# Altium PCB Velvet ADC v2.0.PcbDoc (continued)
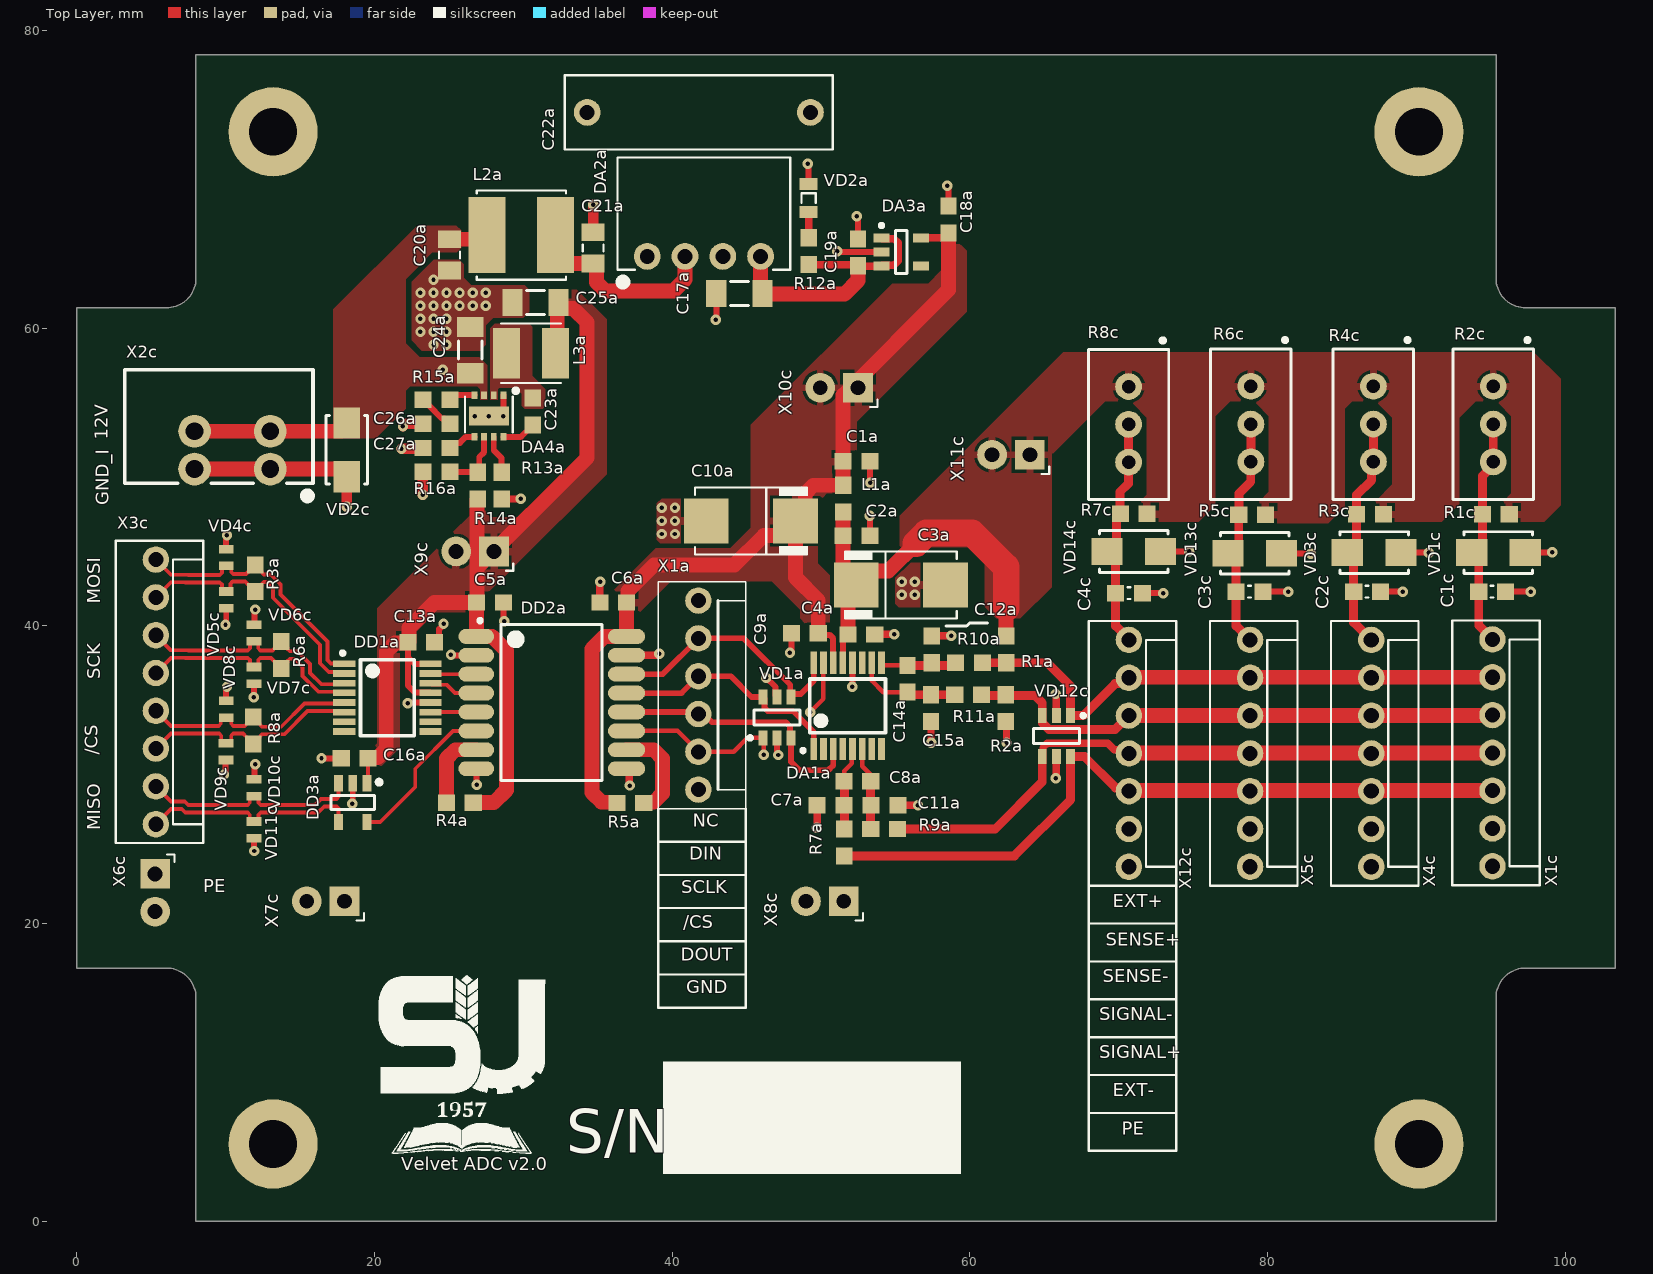
[diagram p0: Top Layer view]
## Footprints (in the part's own frame and the unit in brackets; to place one, negate y for a bottom-side part, rotate by r counter-clockwise, add the part's x,y. Pads: shape width x height; smd on the part's side, far side on the other; paste and mask are expansions set on the pad)
"2-DFN 1.6x1.0" [mm]
  rect 0.58x1 smd: 1(-0.56,0) 2(0.56,0)
  body extent -0.8,-0.5 0.8,0.5, height 0.6
"2P TH 2.54mm" [mm]
  rect 2x2 hole 1: 1(0,0)
  round 2 hole 1: 2(2.54,0)
  silkscreen extent -1.3,0.8 -0.8,1.3
"0805 DIODE" [mm]
  rect 0.8x1.2 smd: 1(-0.95,0) 2(0.95,0)
  silkscreen extent -0.33,-0.48 0.33,0.48, body extent -1.03,-0.45 1.03,0.46, height 0.85
640456-6 [mil] "CONN HEADER VERT 6POS 2.54MM"
  round 70 hole 40: 1(-250,0) 2(-150,0) 3(-50,0) 4(50,0) 5(150,0) 6(250,0)
  silkscreen extent -300,-106 300,125, body extent -300,-105 300,125, height 395
640456-7 [mil] "CONN HEADER VERT 7POS 2.54MM"
  round 70 hole 40: 1(-300,0) 2(-200,0) 3(-100,0) 4(0,0) 5(100,0) 6(200,0) 7(300,0)
  silkscreen extent -350,-106 350,125, body extent -351,-105 349,125, height 395
640456-8 [mil] "CONN HEADER VERT 8POS 2.54MM"
  round 70 hole 40: 1(-350,0) 2(-250,0) 3(-150,0) 4(-50,0) 5(50,0) 6(150,0) 7(250,0) 8(350,0)
  silkscreen extent -400,-106 400,125, body extent -400,-106 400,124, height 395
ASPI-4030S [mm] "4x4x3 Wire Wound Magnetically Shielded SMD Power Inductor"
  rect 1.8x3.4 smd: 1(-1.65,0) 2(1.65,0)
  silkscreen extent -2,-2 2,2, body extent -2,-2 2,2, height 3
B1212M-2WR3 [mm] "DC DC CONVERTER 12V 2W"
  round 1.8 hole 1: 1(-3.81,0) 2(-1.27,0) 3(1.27,0) 4(3.81,0)
  silkscreen extent -5.8,-1.97 5.8,6.65, body extent -5.8,-0.9 5.8,6.65, height 10.1
"CAP 0603 IPC MAX" [mm]
  rect 1.15x1.1 smd: 1(-0.9,0) 2(0.9,0)
  body extent -0.8,-0.4 0.8,0.4, height 0.5
"CAP 0805 IPC MAX" [mm]
  rect 1.2x1.55 smd: 1(-1.05,0) 2(1.05,0)
  silkscreen extent -0.23,-0.7 0.23,0.7, body extent -1,-0.63 1,0.63, height 0.78
"CAP 1206 IPC MAX" [mm]
  rect 1.35x1.8 smd: 1(-1.55,0) 2(1.55,0)
  silkscreen extent -0.6,-0.8 0.6,0.8, body extent -2.27,-0.8 2.27,0.8, height 1.25
"CAP 2917 (D)" [mm]
  rect 3x3 smd: 1(-3,0) 2(3,0)
  silkscreen extent -3.83,-2.25 3.75,2.25, body extent -3.7,-2.22 3.7,2.22, height 3.01
"CAP RADIAL L18.0 W5.0 H10.5 P15.0" [mm] "Film Capacitor"
  round 1.8 hole 1: 1(-7.5,0) 2(7.5,0)
  silkscreen extent -9,-2.5 9,2.5, body extent -9,-2.5 9,2.5, height 10.5
"DFN 3x3-8L" [mm] "Based on AOZ6663DI/DI-01 Documentation"
  rect 0.4x0.5 smd: 1(-0.975,-1.4) 2(-0.325,-1.4) 3(0.325,-1.4) 4(0.975,-1.4) 5(0.975,1.4) 6(0.325,1.4) 7(-0.325,1.4) 8(-0.975,1.4)
  rect 2.7x1.25 smd: 9(0,0)
  silkscreen extent -1.94,-1.84 1.6,1.1, body extent -1.55,-1.6 1.55,1.6, height 0.81
"DO-214AC Bidirectional" [mm] "Bidirectional Diode, 2-Leads, Body 4,30x2,59mm, IPC Medium Density"
  rect 2.1x1.8 smd: 1(-1.8,0) 2(1.8,0)
  silkscreen extent -2.3,-1.4 2.3,1.4, body extent -2.74,-1.4 2.74,1.4, height 2.29
"IND 0603 IPC MAX" [mm]
  rect 1.15x1.1 smd: 1(-0.9,0) 2(0.9,0)
  body extent -0.8,-0.4 0.8,0.4, height 0.8
KF141V-2.54-2P [mm]
  round 2.2 hole 1.2: 1(0,0) 2(2.54,0) 3(0,5.08) 4(2.54,5.08)
  silkscreen extent -2.05,-2.87 6.67,9.78, body extent -1.01,-2.94 6.67,9.86, height 13.6
"RES 0603 IPC MAX" [mm]
  rect 1.15x1.1 smd: 1(-0.9,0) 2(0.9,0)
  body extent -0.8,-0.43 0.8,0.43, height 0.48
"RES: 3296W" [mm]
  round 1.8 hole 0.9: 1(0,0) 2(2.54,0) 3(5.08,0)
  silkscreen extent -3.12,-2.7 7.6,2.7, body extent -2.22,-2.4 7.31,2.4, height 11.55
"SOIC-16 IPC MAX" [mm] "SOIC, 16-Leads, Body 10,30x7,50mm, Pitch 1,27mm, IPC Low Density"
  oval 2.4x1 smd: 1(-5.05,4.445) 2(-5.05,3.175) 3(-5.05,1.905) 4(-5.05,0.635) 5(-5.05,-0.635) 6(-5.05,-1.905) 7(-5.05,-3.175) 8(-5.05,-4.445)
  oval 2.5x1 smd: 9(5.05,-4.445) 10(5.05,-3.175) 11(5.05,-1.905) 12(5.05,-0.635) 13(5.05,0.635) 14(5.05,1.905) 15(5.05,3.175) 16(5.05,4.445)
  silkscreen extent -4.92,-5.25 3.4,5.62, body extent -5.32,-5.25 5.32,5.25, height 2.62
SOT-23-5 [mm]
  rect 0.6x1.1 smd: 1(-0.95,-1.3) 2(0,-1.3) 3(0.95,-1.3) 4(0.95,1.3) 5(-0.95,1.3)
  silkscreen extent -1.92,-1.52 1.45,0.48, body extent -1.5,-1.25 1.5,1.25, height 1.1
SOT-23-6 [mm] "SOT23, 6-Leads, Body 2,93x1,80mm, Pitch 0,95mm, IPC Medium Density"
  rect 1x0.6 smd: 1(-1.375,0.95) 2(-1.375,0) 3(-1.375,-0.95) 4(1.375,-0.95) 5(1.375,0) 6(1.375,0.95)
  silkscreen extent -1.5,-1.55 0.5,1.92, body extent -1.4,-1.45 1.4,1.45, height 1.45
TSOT-23-5 [mm] "TSOT-23, 5 LEAD"
  rect 1.05x0.6 smd: 1(-1.325,0.95) 2(-1.325,0) 3(-1.325,-0.95) 4(1.325,-0.95) 5(1.325,0.95)
  silkscreen extent -1.45,-1.45 0.4,1.9, body extent -1.4,-1.45 1.4,1.45, height 0.99
TSSOP-16 [mm] "TSSOP-16 body 6.6mm x 4.5mm x 1.2mm pitch 0.65mm"
  rect 1.5x0.45 smd: 1(-2.9,2.275) 2(-2.9,1.625) 3(-2.9,0.975) 4(-2.9,0.325) 5(-2.9,-0.325) 6(-2.9,-0.975) 7(-2.9,-1.625) 8(-2.9,-2.275) 9(2.9,-2.275) 10(2.9,-1.625) 11(2.9,-0.975) 12(2.9,-0.325) 13(2.9,0.325) 14(2.9,0.975) 15(2.9,1.625) 16(2.9,2.275)
  silkscreen extent -3.12,-2.55 1.8,3.12, body extent -3.2,-2.5 3.2,2.5, height 1.1
VLS6045EX [mm] "6.0mm x 6.0mm x 4.5mm Shielded inductors 0.47uH...680uH / 13.5A...0.3A"
  rect 2.5x5.1 smd: 1(-2.3,0) 2(2.3,0)
  silkscreen extent -3,-3 3,3, body extent -3,-3 3,3, height 4.49

## Part data
C1a C1c C2a C2c C3c C4c C8a C14a C18a C19a C27a: "CAP SMD CER 1UF 25V X5R 0603", Capacitance=1uF, Manufacturer 1="Taiyo Yuden", Max Operating Temperature=85°C, Min Operating Temperature=-55°C, Package=0603, Rated Voltage=25V, Supplier Part Number 1=587-1248-1-ND, Tolerance=10%, Manufacturer Part Number 1=TMK107BJ105KA-T, Mounting=SM, Supplier 1=Digi-Key, Type="Multilayer Ceramic"
C3a C10a: "CAP TANT 10UF 20% 35V 2917", Capacitance=10uF, Manufacturer 1="KYOCERA AVX", Max Operating Temperature=125°C, Min Operating Temperature=-55°C, Package=D, Rated Voltage=35V, Supplier Part Number 1=478-3916-1-ND, Tolerance=20%, ESR="1 Ohm", Manufacturer Part Number 1=TAJD106M035RNJ, Mounting=SM, Size Code=2917, Supplier 1=Digi-Key, Type=Molded
C4a C5a C6a C7a C9a C11a C12a C13a C15a C16a C23a: "CAP SMD CER 0.1UF 50V X7R 0603", Capacitance=0.1uF, Manufacturer 1="Murata Electronics", Max Operating Temperature=125°C, Min Operating Temperature=-55°C, Package=0603, Rated Voltage=50V, Supplier Part Number 1=490-4779-1-ND, Tolerance=10%, Manufacturer Part Number 1=GCM188R71H104KA57D, Mounting=SM, Supplier 1=Digi-Key, Type="Multilayer Ceramic"
C17a C24a C25a: "CAP SMD CER 10UF 25V X7R 1206", Capacitance=10uF, Manufacturer 1="Samsung Electro-Mechanics", Max Operating Temperature=125°C, Min Operating Temperature=-55°C, Package=1206, Rated Voltage=25V, Supplier Part Number 1=1276-1804-1-ND, Tolerance=10%, Manufacturer Part Number 1=CL31B106KAHNNNE, Mounting=SM, Supplier 1=Digi-Key, Type="Multilayer Ceramic"
C20a C21a: "CAP SMD CER 4.7UF 50V X5R 0805", Capacitance=4.7uF, Manufacturer 1="Samsung Electro-Mechanics", Max Operating Temperature=85°C, Min Operating Temperature=-55°C, Package=0805, Rated Voltage=50V, Supplier Part Number 1=1276-1248-1-ND, Tolerance=10%, Manufacturer Part Number 1=CL21A475KBQNNNE, Mounting=SM, Supplier 1=Digi-Key, Type="Multilayer Ceramic"
C22a: "CAP FILM 270PF 5% 2KVDC RADIAL", Capacitance=270pF, Manufacturer 1=KEMET, Max Operating Temperature=105°C, Min Operating Temperature=-55°C, Package="18mm x 5mm x 10.5mm", Rated Voltage=2kV, Supplier Part Number 1=399-PHE448SB3270JR06-ND, Tolerance=5%, Lead Spacing=15mm, Manufacturer Part Number 1=PHE448SB3270JR06, Mounting=T/H, Supplier 1=Digi-Key, Type=PP
C26a: "CAP SMD CER 1500PF 50V C0G/NP0 0603", Capacitance=1500p, Manufacturer 1="Murata Electronics", Max Operating Temperature=125°C, Min Operating Temperature=-55°C, Package=0603, Rated Voltage=50V, Supplier Part Number 1=490-1455-1-ND, Tolerance=5%, Manufacturer Part Number 1=GRM1885C1H152JA01D, Mounting=SM, Supplier 1=Digi-Key, Type="Multilayer Ceramic"
DA1a: "IC ADC 24BIT SIGMA-DELTA 16TSSOP", Manufacturer 1="Analog Devices Inc.", Max Operating Temperature=85°C, Max Supply Current=325uA, Max Supply Voltage=5.25V, Min Operating Temperature=-40°C, Min Supply Voltage=2.7V, Package=16-TSSOP, Supplier Part Number 1=505-AD7797BRUZ-ND, Architecture=Sigma-Delta, Configuration=MUX-ADC, Data Interface="SPI, DSP", Input Type=Differential, Manufacturer Part Number 1=AD7797BRUZ, Number Of Bits=24, Number of Inputs=1, Reference Type=External, Sampling Rate (Per Second)=123, Supplier 1=Digi-Key
DA2a: "DC DC CONVERTER 12V 2W", Manufacturer 1="Mornsun America, LLC", Max Input Voltage DC=13.2V, Max Operating Temperature=-40℃, Max Output Current=167mA, Min Input Voltage DC=10.8V, Min Operating Temperature=+85℃, Operating Frequency=260kHz, Output Voltage DC=12V, Output Voltage Ripple=180mV, Power Rating=2W, Supplier Part Number 1=2725-B1212M-2WR3-ND, Application="ITE (Commercial)", Efficiency=86%, Help URL=https://www.mornsun-power.com/html/pdf/B1212M-2WR3.html, Manufacturer Part Number 1=B1212M-2WR3, Mounting Type=T/H, Pins=4, Size=L11.6W7.55H10.16P2.54, Supplier 1=Digi-Key
DA3a: "IC REG LINEAR 5V 300MA TSOT23-5", Manufacturer 1=onsemi, Max Input Voltage=24V, Max Operating Temperature=125°C, Max Output Current=300mA, Min Operating Temperature=-40°C, Output Voltage=5V, Package=TSOT-23-5, Supplier Part Number 1=NCP718ASN500T1GOSCT-ND, Supply Current=300uA, Voltage Dropout=0.49V, Manufacterur Part Number 1=NCP718ASN500T1G, Mounting=SM, Supplier 1=Digi-Key
DA4a: "IC REG BUCK ADJ 3A 8DFN", Manufacturer 1="Alpha & Omega Semiconductor Inc.", Max Input Voltage=20V, Max Operating Frequency=750kHz, Max Output Voltage=7V, Max Pulsed Current=3.2A, Min Input Voltage=4.5V, Min Output Voltage=0.6V, Supplier Part Number 1=785-1855-1-ND, Manufacturer Part Nubmer 1=AOZ6663DI, Supplier 1=Digi-Key, Type=Buck
DD1a: "IC RECEIVER LVDS FULL 0/4 16TSSOP", Manufacturer 1="Texas Instruments", Max Operating Temperature=85°C, Min Operating Temperature=-40°C, Package=16-TSSOP, Supplier Part Number 1=296-51106-1-ND, Voltage Supply Range=3...3.6V, Data Rate=400Mbps, Manufacturer Part Number 1=DSLVDS1048PWR, Mounting=SM, Number Of Drivers=0, Number Of Receivers=4, Supplier 1=Digi-Key
DD2a: "DIG ISO - MYNA - QUAD", Isolation Voltage=5000Vrms, Manufacturer 1="Texas Instruments", Max Operating Temperature=125°C, Min Operating Temperature=-55°C, Package=16-SOIC, Supplier Part Number 1=296-ISO7741BDW-ND, Voltage Supply="2.25V ~ 5.5V", Channel Type=Unidirectional, Data Rate=100Mbps, Manufacturer Part Number 1=ISO7741BDW, Mounting=SM, Number Of Channels=4, Number Of Inputs/Outputs=3/1, Supplier 1=Digi-Key
DD3a: "IC DRIVER LVDS 1/0 SOT23-5", Manufacturer 1=onsemi, Max Operating Temperature=125°C, Min Operating Temperature=-40°C, Package=SOT-23-5, Supplier Part Number 1=FIN1001M5XCT-ND, Voltage Supply Range=3...3.6V, Data Rate=600Mbps, Manufacturer Part Number 1=FIN1001M5X, Mounting=SM, Number Of Drivers=1, Number Of Receivers=0, Supplier 1=Digi-Key
L1a: "FERRITE BEAD 600 OHM 0603 1LN", Manufacturer 1="Würth Elektronik", Max Operating Temperature=125°C, Min Operating Temperature=-55°C, Package=0603, Rated Current=1A, Supplier Part Number 1=732-1593-1-ND, DCR=200mOhm, Inmedance @ 100MHz=600R, Manufacturer Part Number 1=742792651, Supplier 1=Digi-Key
L2a: "FIXED IND 6.8UH 3.6A 36 MOHM SMD", Current Rating=3.6A, Inductance=6.8uH, Manufacturer 1="TDK Corporation", Max Operating Temperature=105°C, Min Operating Temperature=-40°C, Saturation Current=4.7A, Supplier Part Number 1=445-173057-1-ND, DCR=36mOhm, Manufacturer Part Number 1=VLS6045EX-6R8M, Shielding=Yes, Supplier 1=Digi-Key
L3a: "FIXED IND 10UH 1.5A 100 MOHM SMD", Current Rating=1.5A, Inductance=10uH, Manufacturer 1="Abracon LLC", Max Operating Temperature=125°C, Min Operating Temperature=-40°C, Saturation Current=1.95A, Supplier Part Number 1=535-12314-1-ND, DCR=100mOhm, Manufacturer Part Number 1=ASPI-4030S-100M-T, Shielding=Yes, Supplier 1=Digi-Key
R1a R2a: "RES SMD 0 OHM 1% 1/10W 0603", Manufacturer 1="Stackpole Electronics Inc", Max Operating Temperature=155°C, Min Operating Temperature=-55°C, Package=0603, Rated Power=100mW, Rated Voltage=75V, Resistance=0, Supplier Part Number 1=RMCF0603ZT0R00CT-ND, Tolerance=1%, Manufacturer Part Number 1=RMCF0603ZT0R00, Qualification=AEC-Q200, Supplier 1=Digi-Key
R1c R3c R5c R7c: library part "RES GOST", "RES SMD/TH ?R (&K) OHM ?% ?W (PACKAGE)"
R2c R4c R6c R8c: "TRIMMER 50 OHM 0.5W PC PIN TOP", Manufacturer 1="Bourns Inc.", Rated Power=500mW, Resistance="50 Ohm", Supplier Part Number 1=490-2886-ND, Tolerance=10%, HelpURL=https://www.digikey.com/en/products/detail/bourns-inc/PV36W500C01B00/666513, Manufacturer Part Number 1=PV36W500C01B00, Supplier 1=Digi-Key
R3a R6a R7a R8a R9a R10a R11a: "RES SMD 100 OHM 1% 1/10W 0603", Manufacturer 1="Stackpole Electronics Inc", Max Operating Temperature=155°C, Min Operating Temperature=-55°C, Package=0603, Rated Power=100mW, Rated Voltage=75V, Resistance=100R, Supplier Part Number 1=RMCF0603FT100RCT-ND, Tolerance=1%, Manufacturer Part Number 1=RMCF0603FT100R, Qualification=AEC-Q200, Supplier 1=Digi-Key
R4a R5a: "RES SMD 4.7k OHM 1% 1/10W 0603", Manufacturer 1="Stackpole Electronics Inc", Max Operating Temperature=155°C, Min Operating Temperature=-55°C, Package=0603, Rated Power=100mW, Rated Voltage=75V, Resistance=4.7k, Supplier Part Number 1=RMCF0603FT4K70CT-ND, Tolerance=1%, Manufacturer Part Number 1=RMCF0603FT4K70, Qualification=AEC-Q200, Supplier 1=Digi-Key
R12a: "RES SMD 2K OHM 1% 1/10W 0603", Manufacturer 1="Stackpole Electronics Inc", Max Operating Temperature=155°C, Min Operating Temperature=-55°C, Package=0603, Rated Power=100mW, Rated Voltage=75V, Resistance=2k, Supplier Part Number 1=RMCF0603FT2K00CT-ND, Tolerance=1%, Manufacturer Part Number 1=RMCF0603FT2K00, Qualification=AEC-Q200, Supplier 1=Digi-Key
R13a: "RES SMD 100K OHM 5% 1/10W 0603", Manufacturer 1="Stackpole Electronics Inc", Max Operating Temperature=155°C, Min Operating Temperature=-55°C, Package=0603, Power Rated=100mW, Ratings=AEC-Q200, Resistance=100k, Supplier Part Number 1=RMCF0603FT100KCT-ND, Tolerance=5%, Voltage Rated=75V, Manufacturer Part Number 1=RMCF0603FT100K, Supplier 1=Digi-Key
R14a: "RES SMD 68K OHM 1% 1/10W 0603", Manufacturer 1="Stackpole Electronics Inc", Max Operating Temperature=155°C, Min Operating Temperature=-55°C, Package=0603, Power Rated=100mW, Ratings=AEC-Q200, Resistance=68k, Supplier Part Number 1=RMCF0603FT68K0CT-ND, Tolerance=1%, Voltage Rated=75V, Manufacturer Part Number 1=RMCF0603FT68K0, Supplier 1=Digi-Key
R15a: "RES SMD 22K OHM 1% 1/10W 0603", Manufacturer 1="Stackpole Electronics Inc", Max Operating Temperature=155°C, Min Operating Temnperature=-55°C, Package=0603, Power Rated=100mW, Rating=AEC-Q200, Resistance=22k, Supplier Part Number 1=RMCF0603FT22K0CT-ND, Tolerance=1%, Voltage Rated=75V, Manufacturer Part Number 1=RMCF0603FT22K0, Mounting=SM, Pins=2, Supplier 1=Digi-Key
R16a: "RES SMD 15K OHM 1% 1/10W 0603", Manufacturer 1="Stackpole Electronics Inc", Max Operating Temperature=155°C, Min Operating Temperature=-55°C, Package=0603, Power Rated=100mW, Ratings=AEC-Q200, Resistance=15k, Supplier Part Number 1=RMCF0603FT15K0CT-ND, Tolerance=1%, Voltage Rated=75V, Manufacturer Part Number 1=RMCF0603FT15K0, Supplier 1=Digi-Key
VD1a VD12c: "TVS DIODE 5VWM SOT23-6", Manufacturer 1=STMicroelectronics, Max Operating Temperature=125°C, Max Pulse Power=80W, Min Operating Temperature=-40°C, Package=SOT-23-6, Supplier Part Number 1=497-6635-1-ND, Voltage - Breakdown (Min)=6.1V, Voltage - Reverse Standoff (Typ)=5V, Manufacturer Part Number 1=ESDA6V1BC6, Mounting=SM, Number Of Chanels=4, Supplier 1=Digi-Key, Type=Biderectional
VD1c VD3c VD13c VD14c: "TVS DIODE 5VWM 9.2VC DO214AC", Current - Peak Pulse (10/1000µs)="28A (8/20µs)", Manufacturer 1="Littelfuse Inc.", Max Operating Temperature=150°C, Max Pulse Power=350W, Min Operating Temperature=-65°C, Package=SMA, Supplier Part Number 1=SMAJ5.0CABCT-ND, Voltage - Breakdown (Min)=6.4V, Voltage - Clamping (Max) @ Ipp=9.2V, Voltage - Reverse Standoff (Typ)=5V, Manufacturer Part Number 1=SMAJ5.0CA, Mounting=43.5A, Number Of Chanels=6, Supplier 1=Digi-Key, Type=Biderectional
VD2a: "LED GREEN CLEAR SMD R/A", Forward Voltage=2.2V, Manufacturer 1="Lite-On Inc.", Max Continious Current=30mA, Max Operating Temperature=+85°C, Max Pulse Current=120mA, Min Operating Temperature=-55°C, Package=0805, Power Dissipation=100mW, Reverse Voltage=5V, Supplier Part Number 1=160-1218-1-ND, Manufacturer Part Number 1=LTST-S220GKT, Supplier 1=Digi-Key
VD2c: "TVS DIODE 12VWM 25.3VC SMA", Current - Peak Pulse (8/20µs)=91A, Manufacturer 1=STMicroelectronics, Max Operating Temperature=150°C, Max Pulse Power=400W, Min Operating Temperature=-55°C, Package=SMA, Supplier Part Number 1=497-2996-1-ND, Voltage - Breakdown (Min)=13.3V, Voltage - Clamping (Max) @ Ipp=25.3V, Voltage - Reverse Standoff (Typ)=12V, Manufacturer Part Number 1=SMAJ12CA-TR, Mounting=SM, Number Of Chanels=1, Supplier 1=Digi-Key, Type=Biderectional
VD4c VD5c VD6c VD7c VD8c VD9c VD10c VD11c: "TVS DIODE 3.3VWM 9VC 2DFN", Current - Peak Pulse (10/1000µs)="80A (8/20µs)", Manufacturer 1="Littelfuse Inc.", Max Operating Temperature=125°C, Max Pulse Power=720W, Min Operating Temperature=-40°C, Package=0603, Supplier Part Number 1=F10154CT-ND, Voltage - Breakdown (Min)=3.4V, Voltage - Clamping (Max) @ Ipp=9V, Voltage - Reverse Standoff (Typ)=3.3V, Manufacturer Part Number 1=SP1103C-01UTG, Mounting=SM, Number Of Chanels=1, Supplier 1=Digi-Key, Type=Biderectional
X1a: "CONN HEADER VERT 6POS 2.54MM", Manufacturer 1="TE Connectivity AMP Connectors", Max Operating Temperature=105℃, Min Operating Temperatire=-55℃, Rated Current=10A, Rated Voltage=250V, Supplier Part Number 1=A1923-ND, Manufacturer Part Number 1=640456-6, Max Height=13.59mm, Max Length=15.24, Max Width=5.715, Pins=6, Pitch=2.54mm, Suitable Connctor=3-640441-6, Supplier 1=Digi-Key
X1c X4c X5c X12c: "CONN HEADER VERT 7POS 2.54MM", Manufacturer 1="TE Connectivity AMP Connectors", Max Operating Temperature=105℃, Min Operating Temperatire=-55℃, Rated Current=2, Rated Voltage=250V, Supplier Part Number 1=A19472-ND, Manufacturer Part Number 1=640456-7, Max Height=13.59mm, Max Length=17.78mm, Max Width=5.715, Pins=7, Pitch=2.54mm, Suitable Connctor=3-640441-8, Supplier 1=Digi-Key
X2c: "TERMINAL BLOCK 2 PIN 2.54mm 2A 150V T/H", Manufacturer 1="CIXI KEFA ELECTRONICS CO.,LTD.", Max Operating Temperature=105℃, Min Operating Temperatire=-40℃, Rated Current=10A, Rated Voltage=150V, Manufacturer Part Number 1=KF141V-2.54-2P, Max Height=13.8mm, Max Length=7.62, Max Width=12.7mm, Pins=2+2, Pitch="2.54mm x 5.08mm", Suitable Wire=20...26AWG
X3c: "CONN HEADER VERT 8POS 2.54MM", Manufacturer 1="TE Connectivity AMP Connectors", Max Operating Temperature=105℃, Min Operating Temperatire=-55℃, Rated Current=10A, Rated Voltage=250V, Supplier Part Number 1=A1924-ND, Manufacturer Part Number 1=640456-8, Max Height=13.59mm, Max Length=20.32mm, Max Width=5.715, Pins=6, Pitch=2.54mm, Suitable Connctor=3-640441-8, Supplier 1=Digi-Key
X6c X7c X8c X9c X10c X11c: library part "2P CONNECTOR"

## Free pads (board coordinates)
  round 6 hole 3.2: 4(13.195,5.19) 4(13.195,73.19) 4(90.185,5.19) 4(90.185,73.19)

## Via types
v1: diameter 0.7, hole 0.3, Top Layer to Bottom Layer, tented both sides, 88 vias

## Nets (pads, with @x,y where several pads share a name; then routed paths per layer and width w, separated by ;. In a path a pad name is that pad's centre, name@x,y a point inside that pad or via, vN(x,y) a via of type N, cw(c..) or ccw(c..) an arc to the next point about the centre after c; other vN are vias at no path point)
3V3ISO: C5a.2 C13a.1 C16a.1 C25a.1 DD1a.13 DD1a.16 DD2a.1 DD3a.1 L3a.2 R4a.2 R14a.1 X9c.1 X9c.2 | length 73.3
  Top Layer w0.254: DD3a.1 19.575,29.5 C16a.1
  Top Layer w0.4: C13a.1 22.25,37.9 ; DD1a.13 23.75,35.525 22.725,35.525 22.25,36 22.25,37.9 ; DD1a.16 22.7,37.45 22.25,37.9
  Top Layer w1: C16a.1 19.625,31.15 20.214,31.15 20.8,31.736 20.8,38.264 21.386,38.85 22.2,38.85 C13a.1 22.275,38.9 22.325,38.95 22.325,39.875 24.025,41.575 C5a.2 ; R4a.2 28.025,28.125 28.875,28.975 28.875,38.326 27.906,39.295 DD2a.1@26.875,39.295 ; DD2a.1 DD2a.1@26.875,39.295 ; R14a.1 26.9,48.475 26.9,43.9 ; L3a.2 32.293,58.443 32.293,61.643 C25a.1 32.375,61.5 32.55,61.325 33.375,61.325 34.3,60.4 34.3,51.3 26.9,43.9 ; DD2a.1@26.875,39.295 C5a.2 ; C5a.2 26.9,41.6 26.9,43.9
+5V: C1a.1 C6a.1 C9a.1 C10a.1 C18a.1 DA1a.14 DA3a.5 DD2a.16 L1a.1 R5a.1 X10c.1 X10c.2 | length 67.9
  Top Layer w0.4: C9a.1 49.925,39.4 50.591,39.4 50.825,39.166 DA1a.14
  Top Layer w0.5: DA3a.5 C18a.1@58.275,66.075
  Top Layer w1: R5a.1 36.25,28.15 35.275,28.15 34.625,28.8 34.625,38.45 35.47,39.295 DD2a.16 C6a.1 36.975,41.575 37.025,41.625 37.025,42.325 38.8,44.1 44.2,44.1 46.164,46.064 47.314,46.064 C10a.1 ; C9a.1 49.825,41.725 48.3,43.25 48.3,46.636 C10a.1 ; C18a.1 58.575,62.575 51.5,55.5 L1a.1 49.5,49.45 48.95,48.9 48.95,47.7 C10a.1
+12V: C17a.1 C19a.1 DA2a.4 DA3a.1 DA3a.3 R12a.2 | length 19
  Top Layer w0.5: R12a.2 52.5,64.275 52.6,64.175 DA3a.3 54.125,64.225 54.907,64.225 55.2,64.518 55.2,65.732 54.907,66.025 54.125,66.025 DA3a.1
  Top Layer w1: DA2a.4 45.955,62.445 C17a.1 ; C17a.1@46.234,62.316 46.25,62.3 51.6,62.3 52.5,63.2 C19a.1@52.5,64.275
+12VISO: C20a.1 C24a.1 DA4a.3 L2a.1 R13a.1 VD2c.1 X2c.2 X2c.4 | length 27
  Top Layer w0.5: R13a.1 29.825,48.525 v1(29.85,48.55)
  Top Layer w1: X2c.4 17.75,53.075 18.075,53.4 VD2c.1@18.075,53.45 ; C20a.1 27.3,65.975 L2a.1
  INT1 w0.5: v1(24.6,57.2) 27.8,57.2 29.85,55.15 v1(29.85,48.55)
/CS: DA1a.3 DD2a.12 VD1a.3 X1a.4 | length 18.1
  Top Layer w0.381: DD2a.12 41.64,34.215 X1a.4 42.142,34.08 42.697,33.525 47.65,33.525 47.927,33.248 47.927,32.548 VD1a.3 48,30.875 48.575,30.3 50.5,30.3 50.825,30.625 DA1a.3
AVDD: C2a.1 C3a.1 C4a.1 DA1a.13 L1a.2 R1a.2 R1c.1 R2c.1 R3c.1 R4c.1 R5c.1 R6c.1 R7c.1 R8c.1 X11c.1 X11c.2 | length 28
  Top Layer w0.4: DA1a.13 51.475,39.075 C4a.1
  Top Layer w1: L1a.2 C2a.1 51.5,43.625 C3a.1 ; C4a.1 51.825,42.2 C3a.1 ; 56.387,45.537 54.548,43.698 53.323,43.698 C3a.1 ; R1a.2 62.45,41.2
  Top Layer w1.8: 56.387,45.537 57.088,46.237 60.163,46.237 62.45,43.95 62.45,41.2
DIN: DA1a.16 DD2a.14 VD1a.4 X1a.2 | length 17.3
  Top Layer w0.381: DD2a.14 39.37,36.755 X1a.2 43.316,39.16 44.815,39.16 47.952,36.023 VD1a.4@47.952,35.273 ; VD1a.4 48,35.314 48.109,35.423 48.648,35.423 49.525,36.3 DA1a.16
DIN0: DD2a.6 DD3a.5 | length 10.6
  Top Layer w0.254: DD3a.5 20.4,26.825 22.75,29.175 22.75,30.4 25.295,32.945 DD2a.6
DOUT: DA1a.15 DD2a.11 VD1a.1 X1a.5 | length 20.1
  Top Layer w0.3: DD2a.11 40.37,32.945 X1a.5 44.14,31.54 45.075,32.475 VD1a.1 46.15,32.425 v1(46.15,31.35) ; v1(49.275,34.2) 50.175,35.1 DA1a.15
  INT1 w0.3: v1(46.15,31.35) 46.15,32.85 47.5,34.2 v1(49.275,34.2)
GND: C1a.2 C1c.1 C2a.2 C2c.1 C3a.2 C3c.1 C4a.2 C4c.1 C6a.2 C7a.1 C9a.2 C10a.2 C11a.2 C12a.1 C15a.2 C17a.2 C18a.2 C19a.2 C22a.1 DA1a.12 DA2a.3 DA3a.2 DD2a.9 DD2a.15 R2a.2 VD1a.2 VD1a.5 VD1c.1 VD2a.2 VD3c.1 VD12c.2 VD12c.5 VD13c.1 VD14c.1 X1a.6 X1c.6 X4c.6 X5c.6 X8c.1 X8c.2 X12c.6 | length 47.7
  Top Layer w0.4: v1(42.925,60.575) 42.975,60.625 C17a.2 ; v1(46.325,36.525) 46.95,35.9 46.95,35.325 VD1a.5 ; VD1a.2 47.05,31.481 47.125,31.406 v1(47.125,31.325) ; v1(47.925,38.2) 47.925,38.281 48.025,38.381 C9a.2 ; v1(49.125,71.05) 49.175,71 VD2a.2 ; v1(51.1,65.175) 51.15,65.125 DA3a.2 ; v1(52.1,35.925) 52.125,35.95 DA1a.12 ; v1(52.4,67.525) 52.4,67.444 52.5,67.344 C19a.2@52.5,66.05 ; v1(53.275,47.4) 53.3,47.375 C2a.2 ; C1a.2 53.3,49.65 v1(53.325,49.625) ; v1(58.5,69.575) 58.5,69.494 58.575,69.419 C18a.2 ; C4c.1 v1(73,42.2) ; VD14c.1 74.725,45 v1(74.75,45.025) ; C3c.1 v1(81.4,42.3) ; VD13c.1 82.9,44.875 v1(82.925,44.85) ; C2c.1 v1(89.1,42.3) ; VD3c.1 v1(90.85,44.925) ; C1c.1 v1(97.7,42.3) ; VD1c.1 99.125,44.925 v1(99.15,44.95)
  Top Layer w0.5: C6a.2 35.15,42.95 v1(35.175,42.975) ; DD2a.9 37.119,30.236 37.119,29.306 v1(37.15,29.275) ; DD2a.15 38.996,38.025 39.096,38.125 v1(39.15,38.125) ; v1(49.725,26.425) 49.75,26.45 C7a.1 ; C4a.2 54.9,39.425 v1(54.925,39.45) ; C11a.2 v1(56.525,27.95) ; C15a.2 57.4,32.175 v1(57.425,32.15) ; C12a.1 58.75,39.325 v1(58.775,39.35) ; R2a.2 62.475,33.525 v1(62.475,32.15) ; v1(65.775,29.775) 65.775,29.829 65.825,29.879 VD12c.5 ; v1(65.775,35.425) 65.775,35.371 65.825,35.321 VD12c.2
  other v1: 55.425,42.1 56.3,42.1 55.425,42.975 56.3,42.975 39.325,46.175 40.2,46.175 39.325,47.05 40.2,47.05 39.325,47.925 40.2,47.925
GND_I: C5a.1 C13a.2 C16a.2 C20a.2 C21a.2 C22a.2 C24a.2 C25a.2 C26a.2 C27a.2 DA2a.1 DA4a.1 DA4a.9 DD1a.12 DD2a.2 DD2a.8 DD3a.2 R16a.1 VD2c.2 VD4c.1 VD5c.1 VD6c.1 VD7c.1 VD8c.1 VD9c.1 VD10c.1 VD11c.1 X2c.1 X2c.3 X7c.1 X7c.2 | length 38.6
  Top Layer w0.4: v1(9.9,30) 9.9,30.081 10.012,30.194 10.012,30.9 10.025,30.912 VD9c.1 ; v1(10,40.075) 10.05,40.125 VD5c.1 ; VD8c.1 10.028,34.982 10.028,35.747 10.1,35.819 v1(10.1,35.9) ; VD4c.1 10.038,45.172 10.038,45.956 10.1,46.019 v1(10.1,46.1) ; v1(11.9,35.2) 11.913,35.213 11.913,36.103 VD7c.1 ; v1(11.925,24.875) VD11c.1 ; VD10c.1 11.963,29.722 11.963,30.663 v1(12,30.7) ; VD6c.1 11.937,40.097 11.937,40.956 12,41.019 v1(12,41.1) ; v1(16.45,31.1) C16a.2 ; v1(18.525,28.05) 18.55,28.075 DD3a.2 ; v1(22.25,34.8) 22.3,34.85 DD1a.12 ; C13a.2 24.358,39.208 24.358,39.777 24.65,40.069 v1(24.65,40.15) ; v1(25.15,38.05) 25.175,38.025 DD2a.2 ; DD2a.8 26.873,30.382 26.873,29.327 v1(26.875,29.325) ; DA4a.9@27.71,54.1 v1(27.7,54.1) 28.25,54.1 28.675,54.525 DA4a.1 ; C5a.1 28.675,40.35 v1(28.725,40.3)
  Top Layer w0.7: v1(18.15,48) VD2c.2 ; v1(21.825,51.9) 23.225,51.9 C27a.2 ; v1(21.925,53.425) 22.07,53.57 23.27,53.57 C26a.2 ; v1(23.25,48.8) 23.25,50.325 R16a.1 ; C21a.2 v1(34.7,68.3)
  Top Layer w1: X2c.3 X2c.1 17.79,50.535 VD2c.2@18.075,50.25
  other v1: 26.75,54.1 28.675,54.1 23.975,58.875 24.85,58.875 23.1,59.75 23.975,59.75 24.85,59.75 23.1,60.625 23.975,60.625 24.85,60.625 23.1,61.5 23.975,61.5 24.85,61.5 25.725,61.5 26.6,61.5 27.475,61.5 23.1,62.375 23.975,62.375 24.85,62.375 25.725,62.375 26.6,62.375 27.475,62.375 23.975,63.25
LVDS_ADC_CS_N: DD1a.5 R8a.1 VD8c.2 X3c.5 | length 15.1
  Top Layer w0.254: X3c.5 6.343,33.277 8.338,33.277 8.343,33.282 9.528,33.282 9.677,33.431 9.677,33.677 9.84,33.84 10.224,33.84 10.387,33.677 10.387,33.428 10.536,33.279 11.28,33.279 11.428,33.427 11.452,33.427 11.875,33.85 R8a.1 12.298,33.452 12.298,33.376 12.447,33.227 13.752,33.227 15.302,34.777 17.902,34.777 DD1a.5
LVDS_ADC_CS_P: DD1a.6 R8a.2 VD9c.2 X3c.6 | length 15.3
  Top Layer w0.254: X3c.6 6.343,32.773 9.57,32.773 9.718,32.624 9.718,32.273 9.881,32.11 10.224,32.11 10.387,32.273 10.387,32.626 10.536,32.775 11.176,32.775 11.428,32.523 11.452,32.523 11.875,32.1 R8a.2 12.298,32.498 12.298,32.574 12.447,32.723 13.961,32.723 15.511,34.273 17.902,34.273 DD1a.6
LVDS_ADC_MISO_N: DD3a.3 VD10c.2 X3c.7 | length 14.8
  Top Layer w0.254: X3c.7 6.343,28.197 7.269,28.197 7.502,27.964 11.481,27.964 11.63,28.113 11.63,28.402 11.793,28.565 VD10c.2 12.057,28.565 12.22,28.402 12.22,28.113 12.369,27.964 16.012,27.964 16.425,28.377 17.451,28.377 17.6,28.526 DD3a.3
LVDS_ADC_MISO_P: DD3a.4 VD11c.2 X3c.8 | length 14.8
  Top Layer w0.254: X3c.8 6.343,27.693 7.061,27.693 7.293,27.46 11.481,27.46 11.63,27.312 11.63,27.023 11.793,26.86 VD11c.2 12.057,26.86 12.22,27.023 12.22,27.312 12.369,27.46 16.221,27.46 16.633,27.873 17.451,27.873 17.6,27.724 DD3a.4
LVDS_ADC_MOSI_N: DD1a.1 R3a.1 VD4c.2 X3c.1 | length 18.1
  Top Layer w0.254: X3c.1 6.343,43.437 7.492,43.437 7.502,43.427 9.619,43.427 9.768,43.576 9.768,43.877 9.931,44.04 10.221,44.04 10.384,43.877 10.384,43.628 10.533,43.479 11.379,43.479 11.552,43.652 11.577,43.652 12,44.075 R3a.1 12.423,43.677 12.423,43.601 12.572,43.452 13.036,43.452 13.689,42.799 13.689,42.105 16.85,38.944 16.85,37.7 17.072,37.478 17.947,37.478 DD1a.1
LVDS_ADC_MOSI_P: DD1a.2 R3a.2 VD5c.2 X3c.2 | length 18.3
  Top Layer w0.254: X3c.2 6.343,42.933 7.283,42.933 7.293,42.923 9.619,42.923 9.768,42.774 9.768,42.473 9.931,42.31 10.169,42.31 10.332,42.473 10.332,42.826 10.481,42.975 11.325,42.975 11.552,42.748 11.577,42.748 12,42.325 R3a.2 12.423,42.723 12.423,42.799 12.572,42.948 12.827,42.948 13.185,42.59 13.185,41.896 16.346,38.735 16.346,37.491 16.939,36.898 17.877,36.898 DD1a.2
LVDS_ADC_SCK_N: DD1a.4 R6a.1 VD7c.2 X3c.4 | length 15.9
  Top Layer w0.254: X3c.4 6.343,37.853 7.288,37.853 7.293,37.848 11.494,37.848 11.643,37.699 11.643,37.398 11.806,37.235 VD7c.2 12.044,37.235 12.207,37.398 12.207,37.699 12.356,37.848 13.052,37.848 13.302,37.598 13.327,37.598 13.75,37.175 R6a.1 14.173,37.573 14.173,37.649 14.322,37.798 14.619,37.798 15.178,37.239 15.178,36.634 16.239,35.573 17.902,35.573 DD1a.4
LVDS_ADC_SCK_P: DD1a.3 R6a.2 VD6c.2 X3c.3 | length 15.8
  Top Layer w0.254: X3c.3 6.343,38.357 7.497,38.357 7.502,38.352 11.494,38.352 11.643,38.501 11.643,38.802 11.806,38.965 VD6c.2 12.044,38.965 12.207,38.802 12.207,38.501 12.356,38.352 13.152,38.352 13.302,38.502 13.327,38.502 13.75,38.925 R6a.2 14.173,38.527 14.173,38.451 14.322,38.302 14.828,38.302 15.682,37.448 15.682,36.843 16.448,36.077 17.902,36.077 DD1a.3
NetC1c_2: C1c.2 R1c.2 R2c.2 R2c.3 VD1c.2 X1c.1 | length 15.7
  Top Layer w0.6: X1c.1 95.125,39.105 94.2,40.03 C1c.2 94.2,44.45 VD1c.2 93.85,44.925 94.45,45.525 R1c.2 94.45,50.069 95.175,50.794 R2c.3 R2c.2
NetC2c_2: C2c.2 R3c.2 R4c.2 R4c.3 VD3c.2 X4c.1 | length 15.9
  Top Layer w0.6: X4c.1 85.8,40.238 C2c.2 85.8,44.5 VD3c.2 85.4,44.925 86,45.525 R3c.2 86,48.8 87,49.8 87,50.895 R4c.3 R4c.2
NetC3c_2: C3c.2 R5c.2 R6c.2 R6c.3 VD13c.2 X5c.1 | length 15.8
  Top Layer w0.6: X5c.1 77.9,39.997 C3c.2 77.9,44.325 VD13c.2 77.475,44.875 78.075,45.475 R5c.2 78.1,47.5 78.1,48.9 78.883,49.683 78.883,51.011 R6c.3 R6c.2
NetC4c_2: C4c.2 R7c.2 R8c.2 R8c.3 VD14c.2 X12c.1 | length 15.7
  Top Layer w0.6: R8c.2 R8c.3 70.675,49.575 70.1,49 70.1,47.55 R7c.2 69.876,47.276 69.876,45.6 69.276,45 VD14c.2 69.8,44.425 C4c.2 69.8,39.995 70.7,39.095 X12c.1
NetC7a_2: C7a.2 C8a.1 DA1a.5 R7a.2 | length 5.6
  Top Layer w0.3: C8a.1@51.575,29.55 51.575,30.25 52.082,30.757 52.082,31.682 DA1a.5
  Top Layer w0.6: C8a.1 51.575,29.525 R7a.2
NetC8a_2: C8a.2 C11a.1 DA1a.6 R9a.2 | length 5.6
  Top Layer w0.3: DA1a.6 52.775,30.575 53.35,30 C8a.2
  Top Layer w0.6: R9a.2 C8a.2
NetC21a_1: C21a.1 DA2a.2 L2a.2 | length 13.5
  Top Layer w1: L2a.2 32.175,65.1 32.925,64.35 34.832,64.35 34.932,64.25 34.932,63.086 35.518,62.5 40.1,62.5 40.875,63.275 DA2a.2
NetC23a_1: C23a.1 DA4a.8 | length 2.3
  Top Layer w0.4: DA4a.8 29.85,52.7 30.275,53.125 30.3,53.125 30.65,53.475 C23a.1
NetC23a_2: C23a.2 DA4a.2 L3a.1
NetC26a_1: C26a.1 R15a.1 | length 2.5
  Top Layer w0.4: R15a.1 23.3,55.2 23.65,54.85 23.65,54.825 24.55,53.925 24.725,53.925 C26a.1
NetC27a_1: C27a.1 DA4a.5 | length 2
  Top Layer w0.4: C27a.1 25.425,52.3 25.75,52.3 26.15,52.7 DA4a.5
NetDA4a_4: DA4a.4 R15a.2 | length 1.8
  Top Layer w0.4: R15a.2 25.375,55.5 DA4a.4
NetDA4a_6: DA4a.6 R14a.2 R16a.2 | length 4.4
  Top Layer w0.4: R16a.2 25.1,50.325 R14a.2 27.05,50.425 27.05,51.35 27.375,51.675 DA4a.6
NetDA4a_7: DA4a.7 R13a.2 | length 2.6
  Top Layer w0.4: DA4a.7 28.025,51.8 28.55,51.275 R13a.2
NetDD2a_7: DD2a.7 R4a.1 | length 5.2
  Top Layer w1: R4a.1 24.85,31.089 25.436,31.675 DD2a.7
NetDD2a_10: DD2a.10 R5a.2 | length 6.5
  Top Layer w1: DD2a.10 38.764,31.675 39.35,31.089 39.35,28.736 38.764,28.15 38.15,28.15 R5a.2
NetR12a_1: R12a.1 VD2a.1 | length 1.7
  Top Layer w0.5: R12a.1 VD2a.1
PE: X1c.7 X4c.7 X5c.7 X6c.1 X6c.2 X12c.7
REF+: C12a.2 C14a.1 DA1a.9 R10a.2 | length 5.2
  Top Layer w0.3: DA1a.9 54.075,37.425 54.15,37.35 C14a.1
  Top Layer w0.6: C14a.1 58.875,37.35 R10a.2
REF-: C14a.2 C15a.1 DA1a.10 R11a.2 | length 7.2
  Top Layer w0.3: DA1a.10 53.425,36.325 54.2,35.55 C14a.2
  Top Layer w0.6: C14a.2 56,35.375 R11a.2
ROUT1: DD1a.15 DD2a.3 | length 3.1
  Top Layer w0.254: DD1a.15 23.82,36.755 DD2a.3
ROUT2: DD1a.14 DD2a.4 | length 3.4
  Top Layer w0.254: DD1a.14 23.873,36.052 24.848,36.052 25.415,35.485 DD2a.4
ROUT3: DD1a.11 DD2a.5 | length 3.1
  Top Layer w0.254: DD1a.11 23.79,34.215 DD2a.5
SCLK: DA1a.1 DD2a.13 VD1a.6 X1a.3 | length 16.1
  Top Layer w0.381: DD2a.13 40.64,35.485 X1a.3 43.955,36.62 45.35,35.225 VD1a.6 46.209,35.116 46.209,34.498 46.433,34.275 48.125,34.275 49.525,32.875 DA1a.1
SENSE+: R1a.1 R10a.1 VD12c.1 X1c.2 X4c.2 X5c.2 X12c.2 | length 38
  Top Layer w0.6: R10a.1 R1a.1 65.2,37.525 66.775,35.95 VD12c.1 67.625,33.975 69.767,36.117 69.984,36.117 70.381,36.515 X12c.2
  Top Layer w1: X12c.2 70.735,36.55 X1c.2
SENSE-: R2a.1 R11a.1 VD12c.3 X1c.3 X4c.3 X5c.3 X12c.3 | length 36.5
  Top Layer w0.6: R11a.1 60.849,35.326 64.374,35.326 64.875,34.825 VD12c.3 64.875,33.489 65.339,33.025 69.75,33.025 X12c.3
  Top Layer w1: X12c.3 X5c.3 95.09,33.975 X1c.3
SIGNAL+: R7a.1 VD12c.6 X1c.5 X4c.5 X5c.5 X12c.5 | length 49
  Top Layer w0.6: R7a.1 63,24.55 66.775,28.325 VD12c.6 67.7,31.225 69.805,29.12 70.475,29.12 X12c.5
  Top Layer w1: X12c.5 70.735,28.93 X1c.5
SIGNAL-: R9a.1 VD12c.4 X1c.4 X4c.4 X5c.4 X12c.4 | length 44
  Top Layer w0.5: VD12c.4 64.925,31.275 64.925,31.829 65.221,32.125 69.275,32.125 69.72,31.68 70.455,31.68 X12c.4
  Top Layer w0.6: R9a.1 61.7,26.35 64.875,29.525 VD12c.4
  Top Layer w1: X12c.4 70.735,31.47 78.842,31.47 86.983,31.47 X1c.4
pads on no net: DA1a.2 DA1a.4 DA1a.7 DA1a.8 DA1a.11 DA3a.4 DD1a.7 DD1a.8 DD1a.9 DD1a.10 X1a.1

## Polygon pours and split planes (outlines as drawn)
+5V on Top Layer "NONET_L-01_P-001" (solid, pour order 12): 59.1,65.9 59.8,65.2 59.8,61.1 52.4,53.7 52.4,48.9 50.4,48.9 49.8,48.3 49.8,44.2 50.6,43.4 50.6,39.7 49.4,39.7 48.6,40.5 48.6,41.1 46.7,43 39.9,43 37.7,40.8 36.3,40.8 36,41.1 36,42.3 38.9,45.2 43.9,45.2 45.3,46.6 45.3,53.5 54.8,63 57.2,63 58.1,63.9 58.1,65.9
AVDD on Top Layer "NONET_L-01_P-001" (solid, pour order 13): 56.8,44.7 57.4,45.3 59.9,45.3 61,44.2 61,41.3 61.8,40.5 63.4,40.5 65.5,42.6 65.5,51.6 65.6,51.6 69.1,55.1 70.8,55.1 71.9,54 71.9,48.8 71.4,48.3 71.4,47 75.4,47 76.5,48.1 76.5,54.1 77.5,55.1 79.1,55.1 80.1,54.1 80.1,49 79.3,48.2 79.3,46.9 84.1,46.9 85.2,48 85.2,54.6 85.7,55.1 87.3,55.1 88.4,54 88.4,49.5 87.2,48.3 87.2,47 91.7,47 92.9,48.2 92.9,54 94,55.1 95.4,55.1 96.4,54.1 96.4,48.9 95.7,48.2 95.7,48 95.7,47 98.6,47 99.7,48.1 99.7,56.6 97.9,58.4 66.3,58.4 55.3,47.4 55.3,45.4 56,44.7
3V3ISO on Top Layer "NONET_L-01_P-001" (solid, pour order 11): 31.7,60.8 33.2,60.8 33.8,60.2 33.8,51.2 29.9,47.3 27.8,47.3 27.5,47.6 27.5,49.1 26.4,49.1 26.4,47.4 20.2,41.2 20.2,32.1 19.9,31.8 19,31.8 19,30.6 20.5,30.6 21.7,31.8 21.7,38.5 24.1,40.9 27.4,40.9 27.4,42 35.6,50.2 35.6,60.6 33.6,62.6 31.7,62.6
+12VISO on Top Layer "12VISO_POLY" (solid, pour order 0): 17.25,61.275 22.875,66.9 25.5,66.9 25.825,66.575 25.825,65.4 25.525,65.1 23.9,65.1 22.1,63.3 22.1,59 23.05,58.05 27.05,58.05 27.3,57.8 27.6,57.5 27.6,55.2 27.1,55.2 27.1,55.9 26.9,56.1 22.4,56.1 22.1,55.8 22.1,54.6 20.1,52.6 17.25,52.6
GND on Top Layer "NONET_L-01_P-001" (solid, pour order 5): 55,44.25 59.875,44.25 59.875,41.25 55.225,41.25 55,41.475
GND on Top Layer "NONET_L-01_P-001" (solid, pour order 4): 43.542,48.55 39.3,48.55 38.975,48.225 38.975,45.8 39.225,45.55 41.025,45.55
NetC23a_2 on Top Layer "DCDC3V_POLY" (solid, pour order 2): 27.8,60 28.1,60.3 30.4,60.3 30.6,60.1 30.6,56.8 31.5,55.9 31.5,54.8 31.3,54.6 30.1,54.6 29.9,54.8 29.9,55.6 29.5,56 28.4,56 28.3,55.9 28.3,55.2 27.8,55.2
GND_I on Top Layer "GNDI0_POLY" (solid, pour order 3): 25.7,64.6 24,64.6 22.525,63.125 22.525,59.175 23.2,58.5 27.1,58.5 27.5,58.9 27.5,60.2 28,60.7 30,60.7 30.4,61.1 30.4,62.6 30.1,62.9 26.5,62.9 26,63.4 26,64.3 25.8,64.5
GND_I on INT2 "NONET_L-01_P-001" (solid, pour order 9): 10.5,77 35,77 41.5,70.5 41.5,56.2 29.3,44 29.3,24.9 24.4,20 3.03,20 1.5,21.53 1.5,57.5 3.5,59.5 7.5,59.5 9,61 9,75.5
GND on INT2 "NONET_L-01_P-001" (solid, pour order 10): 42.5,70.5 49,77 93.5,77 94.5,76 94.5,62 96.5,60 100.5,60 102.5,58 102.5,22 100.5,20 39,20 34.2,24.8 34.2,43.7 42.5,52
PE on Bottom Layer "NONET_L-01_P-001" (solid, pour order 8): 1.5,19 2,18.5 8.5,18.5 9,18 9,2 9.5,1.5 93.5,1.5 94,2 93.9,17.9 94.5,18.5 101.5,18.5 102,19 102,59.5 101.5,60 94.4,60 94,60.4 94,74 91,77 12,77 9.5,74.5 9.5,60.5 9,60 2,60 1.5,59.5

## Silkscreen, mask and mechanical layers (free items; w line width, h text height)
Top Overlay:
  drawing of 66 lines, arcs and shapes, not listed
  text "12V" at 2.4,52.5 h1.52 r90
  text "GND_I" at 2.455,48.1 h1.52 r90
  text "MOSI" at 1.896,41.5 h1.52 r90
  text "SCK" at 1.896,36.42 h1.52 r90
  text "/CS" at 1.71,31.341 h1.52 r90
  text "MISO" at 1.896,26.26 h1.52 r90
  text "NC" at 41.382,26.2 h1.52
  text "DIN" at 41.154,23.97 h1.52
  text "PE" at 8.5,21.8 h1.52
  text "SCLK" at 40.629,21.744 h1.52
  text "EXT+" at 69.6,20.8 h1.52
  text "/CS" at 40.753,19.39 h1.52
  text "SENSE+" at 69.156,18.204 h1.52
  text "DOUT" at 40.573,17.2 h1.52
  text "SENSE-" at 68.936,15.739 h1.52
  text "GND" at 40.953,15 h1.52
  text "SIGNAL-" at 68.698,13.194 h1.52
  text "SIGNAL+" at 68.697,10.649 h1.52
  text "EXT-" at 69.6,8.1 h1.52
  text "PE" at 70.2,5.5 h1.52
  text "S/N" at 32.9,3.63 h5
  text "Velvet ADC v2.0" at 21.8,3.113 h1.52
Board:
  lines w0.3: 6.015,17.015 0,17.015 0,61.365 6.015,61.365 ; 6.017,17.014 cw(c6.017,15.014) 8.017,15.014 ; 6.017,61.366 ccw(c6.017,63.366) 8.017,63.366 ; 8.015,15.015 8.015,0 95.365,0 95.365,15.015 ; 8.015,63.365 8.015,78.38 95.365,78.38 95.365,63.365 ; 95.363,15.014 cw(c97.363,15.014) 97.363,17.014 ; 95.363,63.366 ccw(c97.363,63.366) 97.363,61.366 ; 97.365,17.015 103.38,17.015 103.38,61.365 97.365,61.365